# KiCad board mykeyboard.kicad_pcb
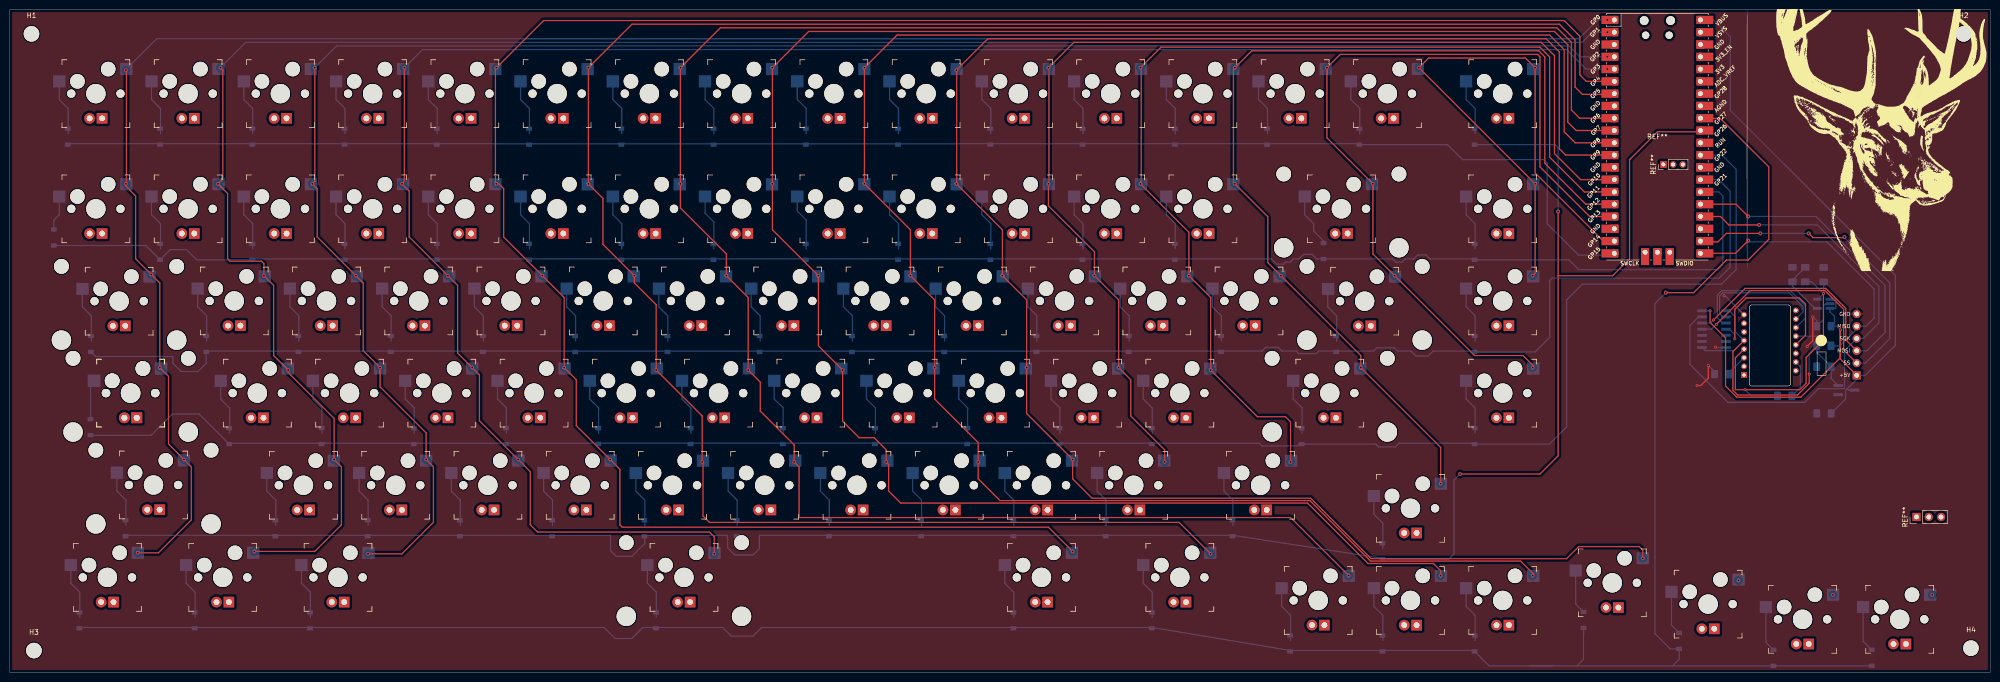
[diagram p0: board, top side]
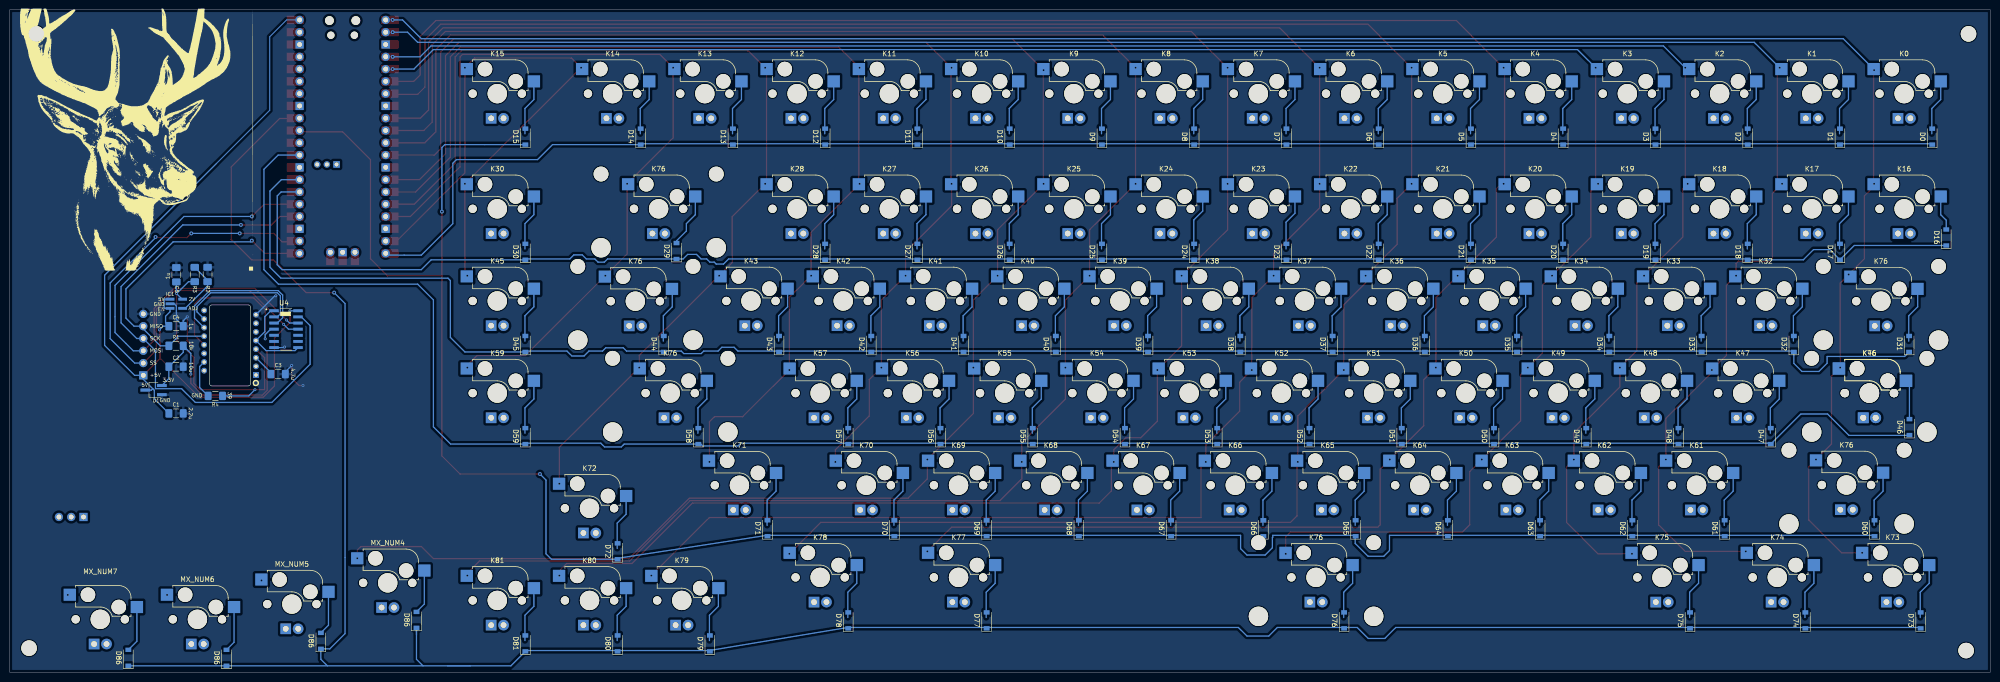
[diagram p1: board, bottom side, seen from below]

Outline 409 x 137 mm; copper layers: Top, Bottom. Coordinates in mm from the lower left corner of the outline.
Outline path: rectangle 0,137 409,0 ; 359.25,75.46 arc(359.39,75.81) 359.75,75.96 367.25,75.96 arc(367.6,75.81) 367.75,75.46 367.75,59.71 arc(367.6,59.36) 367.25,59.21 359.75,59.21 arc(359.39,59.36) 359.25,59.71 359.25,75.46
Stack: Top 0.035mm / dielectric 1.51mm FR4 er 4.5 / Bottom 0.035mm

## Placement (name value [footprint] x y rotation side)
C1  2.2uF  [C_1206_3216Metric_Pad1.42x1.75mm_HandSolder]  374.64 53.53 180 bottom
C2  10uF  [C_1206_3216Metric_Pad1.42x1.75mm_HandSolder]  374.64 63.19 180 bottom
C3  4.7uF  [C_1206_3216Metric_Pad1.42x1.75mm_HandSolder]  353.56 61.66 180 bottom
C4  1uF  [C_1206_3216Metric_Pad1.42x1.75mm_HandSolder]  374.64 71.57 180 bottom
C5  1uF  [C_1206_3216Metric_Pad1.42x1.75mm_HandSolder]  374.58 82.2 90 bottom
D0  D  [D_SOD-123]  12 110.75 90 bottom
D1  D  [D_SOD-123]  31.05 110.75 90 bottom
D2  D  [D_SOD-123]  50.1 110.75 90 bottom
D3  D  [D_SOD-123]  69.15 110.75 90 bottom
D4  D  [D_SOD-123]  88.2 110.75 90 bottom
D5  D  [D_SOD-123]  107.25 110.75 90 bottom
D6  D  [D_SOD-123]  126.3 110.75 90 bottom
D7  D  [D_SOD-123]  145.35 110.75 90 bottom
D8  D  [D_SOD-123]  164.4 110.75 90 bottom
D9  D  [D_SOD-123]  183.45 110.75 90 bottom
D10  D  [D_SOD-123]  202.5 110.75 90 bottom
D11  D  [D_SOD-123]  221.55 110.75 90 bottom
D12  D  [D_SOD-123]  240.6 110.75 90 bottom
D13  D  [D_SOD-123]  259.65 110.75 90 bottom
D14  D  [D_SOD-123]  278.7 110.75 90 bottom
D15  D  [D_SOD-123]  302.51 110.75 90 bottom
D16  D  [D_SOD-123]  9.1 89.9 90 bottom
D17  D  [D_SOD-123]  31.05 86.94 90 bottom
D18  D  [D_SOD-123]  50.1 86.94 90 bottom
D19  D  [D_SOD-123]  69.15 86.94 90 bottom
D20  D  [D_SOD-123]  88.2 86.94 90 bottom
D21  D  [D_SOD-123]  107.25 86.94 90 bottom
D22  D  [D_SOD-123]  126.3 86.94 90 bottom
D23  D  [D_SOD-123]  145.35 86.94 90 bottom
D24  D  [D_SOD-123]  164.4 86.94 90 bottom
D25  D  [D_SOD-123]  183.45 86.94 90 bottom
D26  D  [D_SOD-123]  202.5 86.94 90 bottom
D27  D  [D_SOD-123]  221.55 86.94 90 bottom
D28  D  [D_SOD-123]  240.6 86.94 90 bottom
D29  D  [D_SOD-123]  271.3 87.1 90 bottom
D30  D  [D_SOD-123]  302.51 86.94 90 bottom
D31  D  [D_SOD-123]  16.76 67.89 90 bottom
D32  D  [D_SOD-123]  40.58 67.89 90 bottom
D33  D  [D_SOD-123]  59.62 67.89 90 bottom
D34  D  [D_SOD-123]  78.68 67.89 90 bottom
D35  D  [D_SOD-123]  97.72 67.89 90 bottom
D36  D  [D_SOD-123]  116.78 67.89 90 bottom
D37  D  [D_SOD-123]  135.82 67.89 90 bottom
D38  D  [D_SOD-123]  154.88 67.89 90 bottom
D39  D  [D_SOD-123]  173.93 67.89 90 bottom
D40  D  [D_SOD-123]  192.97 67.89 90 bottom
D41  D  [D_SOD-123]  212.02 67.89 90 bottom
D42  D  [D_SOD-123]  231.07 67.89 90 bottom
D43  D  [D_SOD-123]  250.12 67.89 90 bottom
D44  D  [D_SOD-123]  273.94 67.89 90 bottom
D45  D  [D_SOD-123]  302.51 67.89 90 bottom
D46  D  [D_SOD-123]  16.7 50.7 90 bottom
D47  D  [D_SOD-123]  45.34 48.84 90 bottom
D48  D  [D_SOD-123]  64.39 48.84 90 bottom
D49  D  [D_SOD-123]  83.44 48.84 90 bottom
D50  D  [D_SOD-123]  102.49 48.84 90 bottom
D51  D  [D_SOD-123]  121.54 48.84 90 bottom
D52  D  [D_SOD-123]  140.59 48.84 90 bottom
D53  D  [D_SOD-123]  159.64 48.84 90 bottom
D54  D  [D_SOD-123]  178.69 48.84 90 bottom
D55  D  [D_SOD-123]  197.74 48.84 90 bottom
D56  D  [D_SOD-123]  216.79 48.84 90 bottom
D57  D  [D_SOD-123]  235.84 48.84 90 bottom
D58  D  [D_SOD-123]  266.79 48.84 90 bottom
D59  D  [D_SOD-123]  302.51 48.84 90 bottom
D60  D  [D_SOD-123]  23.91 29.79 90 bottom
D61  D  [D_SOD-123]  54.86 29.79 90 bottom
D62  D  [D_SOD-123]  73.91 29.79 90 bottom
D63  D  [D_SOD-123]  92.96 29.79 90 bottom
D64  D  [D_SOD-123]  112.01 29.79 90 bottom
D65  D  [D_SOD-123]  131.06 29.79 90 bottom
D66  D  [D_SOD-123]  150.11 29.79 90 bottom
D67  D  [D_SOD-123]  169.16 29.79 90 bottom
D68  D  [D_SOD-123]  188.21 29.79 90 bottom
D69  D  [D_SOD-123]  207.26 29.79 90 bottom
D70  D  [D_SOD-123]  226.31 29.79 90 bottom
D71  D  [D_SOD-123]  252.51 29.79 90 bottom
D72  D  [D_SOD-123]  283.46 25.03 90 bottom
D73  D  [D_SOD-123]  14.38 10.74 90 bottom
D74  D  [D_SOD-123]  38.19 10.74 90 bottom
D75  D  [D_SOD-123]  62.01 10.74 90 bottom
D76  D  [D_SOD-123]  133.44 10.74 90 bottom
D77  D  [D_SOD-123]  207.26 10.74 90 bottom
D78  D  [D_SOD-123]  235.84 10.74 90 bottom
D79  D  [D_SOD-123]  264.41 5.97 90 bottom
D80  D  [D_SOD-123]  283.46 5.97 90 bottom
D81  D  [D_SOD-123]  302.51 5.97 90 bottom
D86  SOD-323  [D_SOD-123]  364.24 3 90 bottom
D86#2  SOD-323  [D_SOD-123]  384.5 3 90 bottom
D86#3  SOD-323  [D_SOD-123]  344.74 6.51 90 bottom
D86#4  SOD-323  [D_SOD-123]  325 10.84 90 bottom
H1  MountingHole  [MountingHole_3.2mm_M3_DIN965]  4.5 132 0 top
H2  MountingHole  [MountingHole_3.2mm_M3_DIN965]  403.5 132 0 top
H3  MountingHole  [MountingHole_3.2mm_M3_DIN965]  5 4.5 0 top
H4  MountingHole  [MountingHole_3.2mm_M3_DIN965]  405 5 0 top
IC1  AP7335-WG-7  [AP7331]  374.58 76.2 180 bottom
J1  Conn_01x06_Female  [PinHeader_1x06_P2.54mm_Vertical]  381.41 74.1 0 top
K0  Esc  [Kailh_socket_MX_led]  17.8 119.64 0 top
K1  F1  [Kailh_socket_MX_led]  36.85 119.64 0 top
K2  F2  [Kailh_socket_MX_led]  55.9 119.64 0 top
K3  F3  [Kailh_socket_MX_led]  74.95 119.64 0 top
K4  F4  [Kailh_socket_MX_led]  94 119.64 0 top
K5  F5  [Kailh_socket_MX_led]  113.05 119.64 0 top
K6  F6  [Kailh_socket_MX_led]  132.1 119.64 0 top
K7  F7  [Kailh_socket_MX_led]  151.15 119.64 0 top
K8  F8  [Kailh_socket_MX_led]  170.2 119.64 0 top
K9  F9  [Kailh_socket_MX_led]  189.25 119.64 0 top
K10  F10  [Kailh_socket_MX_led]  208.3 119.64 0 top
K11  F11  [Kailh_socket_MX_led]  227.35 119.64 0 top
K12  F12  [Kailh_socket_MX_led]  246.4 119.64 0 top
K13  Home  [Kailh_socket_MX_led]  265.45 119.64 0 top
K14  End  [Kailh_socket_MX_led]  284.5 119.64 0 top
K15  Insert  [Kailh_socket_MX_led]  308.31 119.64 0 top
K16  ~,`  [Kailh_socket_MX_led]  17.8 95.83 0 top
K17  !,1  [Kailh_socket_MX_led]  36.85 95.83 0 top
K18  @,2  [Kailh_socket_MX_led]  55.9 95.83 0 top
K19  #,3  [Kailh_socket_MX_led]  74.95 95.83 0 top
K20  $,4  [Kailh_socket_MX_led]  94 95.83 0 top
K21  %,5  [Kailh_socket_MX_led]  113.05 95.83 0 top
K22  ^,6  [Kailh_socket_MX_led]  132.1 95.83 0 top
K23  &,7  [Kailh_socket_MX_led]  151.15 95.83 0 top
K24  *,8  [Kailh_socket_MX_led]  170.2 95.83 0 top
K25  (,9  [Kailh_socket_MX_led]  189.25 95.83 0 top
K26  ),0  [Kailh_socket_MX_led]  208.3 95.83 0 top
K27  _,-  [Kailh_socket_MX_led]  227.35 95.83 0 top
K28  +,=  [Kailh_socket_MX_led]  246.4 95.83 0 top
K30  Delete  [Kailh_socket_MX_led]  308.31 95.83 0 top
K32  Q  [Kailh_socket_MX_led]  46.38 76.78 0 top
K33  W  [Kailh_socket_MX_led]  65.42 76.78 0 top
K34  E  [Kailh_socket_MX_led]  84.47 76.78 0 top
K35  R  [Kailh_socket_MX_led]  103.53 76.78 0 top
K36  T  [Kailh_socket_MX_led]  122.57 76.78 0 top
K37  Y  [Kailh_socket_MX_led]  141.62 76.78 0 top
K38  U  [Kailh_socket_MX_led]  160.68 76.78 0 top
K39  I  [Kailh_socket_MX_led]  179.72 76.78 0 top
K40  O  [Kailh_socket_MX_led]  198.78 76.78 0 top
K41  P  [Kailh_socket_MX_led]  217.82 76.78 0 top
K42  {,[  [Kailh_socket_MX_led]  236.88 76.78 0 top
K43  },]  [Kailh_socket_MX_led]  255.93 76.78 0 top
K45  PgUp  [Kailh_socket_MX_led]  308.31 76.78 0 top
K46  Caps Lock  [Kailh_socket_MX_led]  24.94 57.73 0 top
K47  A  [Kailh_socket_MX_led]  51.14 57.73 0 top
K48  S  [Kailh_socket_MX_led]  70.19 57.73 0 top
K49  D  [Kailh_socket_MX_led]  89.24 57.73 0 top
K50  F  [Kailh_socket_MX_led]  108.29 57.73 0 top
K51  G  [Kailh_socket_MX_led]  127.34 57.73 0 top
K52  H  [Kailh_socket_MX_led]  146.39 57.73 0 top
K53  J  [Kailh_socket_MX_led]  165.44 57.73 0 top
K54  K  [Kailh_socket_MX_led]  184.49 57.73 0 top
K55  L  [Kailh_socket_MX_led]  203.54 57.73 0 top
K56  :,;  [Kailh_socket_MX_led]  222.59 57.73 0 top
K57  ",'  [Kailh_socket_MX_led]  241.64 57.73 0 top
K59  PgDn  [Kailh_socket_MX_led]  308.31 57.73 0 top
K61  Z  [Kailh_socket_MX_led]  60.66 38.68 0 top
K62  X  [Kailh_socket_MX_led]  79.71 38.68 0 top
K63  C  [Kailh_socket_MX_led]  98.76 38.68 0 top
K64  V  [Kailh_socket_MX_led]  117.81 38.68 0 top
K65  B  [Kailh_socket_MX_led]  136.86 38.68 0 top
K66  N  [Kailh_socket_MX_led]  155.91 38.68 0 top
K67  M  [Kailh_socket_MX_led]  174.96 38.68 0 top
K68  <,,  [Kailh_socket_MX_led]  194.01 38.68 0 top
K69  >,.  [Kailh_socket_MX_led]  213.06 38.68 0 top
K70  ?,/  [Kailh_socket_MX_led]  232.11 38.68 0 top
K71  Shift  [Kailh_socket_MX_led]  258.31 38.68 0 top
K72  ↑  [Kailh_socket_MX_led]  289.26 33.91 0 top
K73  Ctrl  [Kailh_socket_MX_led]  20.18 19.63 0 top
K74  Win  [Kailh_socket_MX_led]  43.99 19.63 0 top
K75  Alt  [Kailh_socket_MX_led]  67.81 19.63 0 top
K76  Space  [Kailh_socket_MX_led stab]  29.7 38.73 0 top
K76#2  Space  [Kailh_socket_MX_led stab]  22.6 76.73 0 top
K76#3  Space  [Kailh_socket_MX_led stab]  279.8 76.73 0 top
K76#4  Space  [Kailh_socket_MX_led stab]  139.24 19.63 0 top
K76#5  Space  [Kailh_socket_MX_led stab]  275 95.83 0 top
K76#6  Space  [Kailh_socket_MX_led stab]  25 57.73 0 top
K76#7  Space  [Kailh_socket_MX_led stab]  272.6 57.73 0 top
K77  Alt  [Kailh_socket_MX_led]  213.06 19.63 0 top
K78  Ctrl  [Kailh_socket_MX_led]  241.64 19.63 0 top
K79  ←  [Kailh_socket_MX_led]  270.21 14.87 0 top
K80  ↓  [Kailh_socket_MX_led]  289.26 14.87 0 top
K81  →  [Kailh_socket_MX_led]  308.31 14.87 0 top
MX_NUM4  -  [Kailh_socket_MX_led]  330.93 18.5 0 top
MX_NUM5  -  [Kailh_socket_MX_led]  350.73 14.11 0 top
MX_NUM6  -  [Kailh_socket_MX_led]  370.23 10.96 0 top
MX_NUM7  -  [Kailh_socket_MX_led]  390.29 10.96 0 top
R1  10k  [R_1206_3216Metric_Pad1.42x1.75mm_HandSolder]  374.64 67.5 0 bottom
R2  10k  [R_1206_3216Metric_Pad1.42x1.75mm_HandSolder]  368.13 82.25 90 bottom
R3  15k  [R_1206_3216Metric_Pad1.42x1.75mm_HandSolder]  370.78 82.25 270 bottom
R4  39  [R_1206_3216Metric_Pad1.42x1.75mm_HandSolder]  366.53 57.15 0 bottom
REF**  -  [RPi_Pico_SMD_TH]  340.25 110.75 0 top
REF**#2  -  [PinHeader_1x03_P2.54mm_Vertical]  393.76 32.12 90 top
REF**#3  -  [PinHeader_1x03_P2.00mm_Vertical]  341.5 105 90 top
U1  XC6206P332MR  [TSOT-23_HandSoldering]  379.28 58.35 0 bottom
U2  PMW3360DM-T2QU  [DIP-16_W10.16mm]  359.25 59.96 0 bottom
U4  TXS0104EDR  [SOIC127P600X175-14N]  351.93 70.95 180 bottom

## Library data of the parts
C1 = -: LCSC: C1858
C2 = -: LCSC: C152957
C3 = -: LCSC: C29823
C4 C5 = -: LCSC: C1926
IC1 = -: Description: LDO Voltage Regulators LDO SOT-25 ADJUSTABLE 300MA; Arrow Part Number: AP7331-WG-7; Arrow Price/Stock: https://www.arrow.com/en/products/ap7331-wg-7/diodes-incorporated?region=nac; Height: 1.45; LCSC: C460382; Manufacturer_Name: Diodes Inc.; Manufacturer_Part_Number: AP7331-WG-7; Mouser Part Number: 621-AP7331-WG-7; Mouser Price/Stock: https://www.mouser.co.uk/ProductDetail/Diodes-Incorporated/AP7331-WG-7?qs=vIZ3oKQCLxr9PiNSCoXN%2FQ%3D%3D
R1 R2 = -: LCSC: C328409
R3 = -: LCSC: C351534
R4 = -: LCSC: C153384
U1 = -: LCSC: C347376
U4 = -: LCSC: C79342

## Footprints (pads in the part's own frame, mm; a bottom-side part is the same pattern mirrored in y, then rotated)
AP7331
  rect 1.8x0.6 smd: 1(-1.3,0.95) 2(-1.3,0) 3(-1.3,-0.95) 4(1.3,-0.95) 5(1.3,0.95)
C_1206_3216Metric_Pad1.42x1.75mm_HandSolder
  rrect 1.425x1.75 smd: 1(-1.488,0) 2(1.488,0)
D_SOD-123
  rect 0.9x1.2 smd: 1(-1.65,0) 2(1.65,0)
DIP-16_W10.16mm
  rect 1.2x1.2 hole 0.7: 1(-1.1,-1.52)
  round 1.2 hole 0.7: 2(-1.1,-3.3) 3(-1.1,-5.08) 4(-1.1,-6.86) 5(-1.1,-8.64) 6(-1.1,-10.42) 7(-1.1,-12.2) 8(-1.1,-13.98) 9(9.6,-14.87) 10(9.6,-13.09) 11(9.6,-11.31) 12(9.6,-9.53) 13(9.6,-7.75) 14(9.6,-5.97) 15(9.6,-4.19) 16(9.6,-2.41)
Kailh_socket_MX_led
  round 1.702 hole 1.702 unplated: (-5.08,0) (5.08,0)
  round 3 hole 3 unplated: (-3.81,2.54) (2.54,5.08)
  round 3.988 hole 3.988 unplated: (0,0)
  rect 2.55x2.5 smd far side: 1(6.29,5.08) 2(-7.56,2.54)
  round 2.2 hole 1.2: 3(-1.295,-5.105)
  rect 2.2x2.2 hole 1.2: 4(1.27,-5.105)
Kailh_socket_MX_led stab
  round 3.05 hole 3.05 unplated: (-11.913,7.188) (11.887,7.188)
  round 4 hole 4 unplated: (-11.913,-8.052) (11.887,-8.052)
  round 1.702 hole 1.702 unplated: (-5.08,0) (5.08,0)
  round 3 hole 3 unplated: (-3.81,2.54) (2.54,5.08)
  round 3.988 hole 3.988 unplated: (0,0)
  rect 2.55x2.5 smd far side: 1(6.29,5.08) 2(-7.56,2.54)
  round 2.2 hole 1.2: 3(-1.295,-5.105)
  rect 2.2x2.2 hole 1.2: 4(1.27,-5.105)
MountingHole_3.2mm_M3_DIN965
  round 3.2 hole 3.2 unplated: (0,0)
PinHeader_1x03_P2.00mm_Vertical
  rect 1.35x1.35 hole 0.8: 1(0,0)
  oval 1.35x1.35 hole 0.8: 2(0,-2) 3(0,-4)
PinHeader_1x03_P2.54mm_Vertical
  rect 1.7x1.7 hole 1: 1(0,0)
  oval 1.7x1.7 hole 1: 2(0,-2.54) 3(0,-5.08)
PinHeader_1x06_P2.54mm_Vertical
  oval 1.7x1.7 hole 1: 1(0,0) 2(0,-2.54) 3(0,-5.08) 4(0,-7.62) 5(0,-10.16)
  rect 1.7x1.7 hole 1: 6(0,-12.7)
R_1206_3216Metric_Pad1.42x1.75mm_HandSolder
  rrect 1.425x1.75 smd: 1(-1.488,0) 2(1.488,0)
RPi_Pico_SMD_TH
  oval 1.8x1.8 hole 1.8 unplated: (-2.725,24) (2.725,24)
  oval 1.5x1.5 hole 1.5 unplated: (-2.425,20.97) (2.425,20.97)
  oval 1.7x1.7 hole 1.02: 1(-8.89,24.13) 2(-8.89,21.59) 4(-8.89,16.51) 5(-8.89,13.97) 6(-8.89,11.43) 7(-8.89,8.89) 9(-8.89,3.81) 10(-8.89,1.27) 11(-8.89,-1.27) 12(-8.89,-3.81) 14(-8.89,-8.89) 15(-8.89,-11.43) 16(-8.89,-13.97) 17(-8.89,-16.51) 19(-8.89,-21.59) 20(-8.89,-24.13) 21(8.89,-24.13) 22(8.89,-21.59) 24(8.89,-16.51) 25(8.89,-13.97) 26(8.89,-11.43) 27(8.89,-8.89) 29(8.89,-3.81) 30(8.89,-1.27) 31(8.89,1.27) 32(8.89,3.81) 34(8.89,8.89) 35(8.89,11.43) 36(8.89,13.97) 37(8.89,16.51) 39(8.89,21.59) 40(8.89,24.13) 41(-2.54,-23.9) 43(2.54,-23.9)
  rect 3.5x1.7 smd: 1(-8.89,24.13) 2(-8.89,21.59) 3(-8.89,19.05) 4(-8.89,16.51) 5(-8.89,13.97) 6(-8.89,11.43) 7(-8.89,8.89) 8(-8.89,6.35) 9(-8.89,3.81) 10(-8.89,1.27) 11(-8.89,-1.27) 12(-8.89,-3.81) 13(-8.89,-6.35) 14(-8.89,-8.89) 15(-8.89,-11.43) 16(-8.89,-13.97) 17(-8.89,-16.51) 18(-8.89,-19.05) 19(-8.89,-21.59) 20(-8.89,-24.13) 21(8.89,-24.13) 22(8.89,-21.59) 23(8.89,-19.05) 24(8.89,-16.51) 25(8.89,-13.97) 26(8.89,-11.43) 27(8.89,-8.89) 28(8.89,-6.35) 29(8.89,-3.81) 30(8.89,-1.27) 31(8.89,1.27) 32(8.89,3.81) 33(8.89,6.35) 34(8.89,8.89) 35(8.89,11.43) 36(8.89,13.97) 37(8.89,16.51) 38(8.89,19.05) 39(8.89,21.59) 40(8.89,24.13)
  rect 1.7x1.7 hole 1.02: 3(-8.89,19.05) 8(-8.89,6.35) 13(-8.89,-6.35) 18(-8.89,-19.05) 23(8.89,-19.05) 28(8.89,-6.35) 33(8.89,6.35) 38(8.89,19.05) 42(0,-23.9)
  rect 1.7x3.5 smd: 41(-2.54,-23.9) 42(0,-23.9) 43(2.54,-23.9)
SOIC127P600X175-14N
  rect 1.97x0.6 smd: 1(-2.475,3.81) 2(-2.475,2.54) 3(-2.475,1.27) 4(-2.475,0) 5(-2.475,-1.27) 6(-2.475,-2.54) 7(-2.475,-3.81) 8(2.475,-3.81) 9(2.475,-2.54) 10(2.475,-1.27) 11(2.475,0) 12(2.475,1.27) 13(2.475,2.54) 14(2.475,3.81)
TSOT-23_HandSoldering
  rect 2x0.65 smd: 1(-1.71,0.95) 2(-1.71,-0.95) 3(1.71,0)

## Nets
GND: C1.2 C2.2 C3.2 C4.2 C5.2 IC1.2 J1.1 R2.2 U1.1 U2.8 U4.7
/Col_0: K0.1 K16.1 K46.1 K73.1 K76.1 K76#2.1 REF**.1
/Col_1: K1.1 K17.1 K32.1 K47.1 K61.1 K74.1 REF**.2
/Col_2: K2.1 K18.1 K33.1 K48.1 K62.1 K75.1 REF**.4
/Col_3: K3.1 K19.1 K34.1 K49.1 K63.1 K76#4.1 REF**.5
/Col_4: K4.1 K20.1 K35.1 K50.1 K64.1 K77.1 REF**.6
/Col_5: K5.1 K21.1 K36.1 K51.1 K65.1 K78.1 REF**.7
/Col_6: K6.1 K22.1 K37.1 K52.1 K66.1 K79.1 REF**.9
/Col_7: K7.1 K23.1 K38.1 K53.1 K67.1 K80.1 REF**.10
/Col_8: K8.1 K24.1 K39.1 K54.1 K68.1 K81.1 REF**.11
/Col_9: K9.1 K25.1 K40.1 K55.1 K69.1 MX_NUM4.1 REF**.12
/Col_10: K10.1 K26.1 K41.1 K56.1 K70.1 MX_NUM5.1 REF**.14
/Col_11: K11.1 K27.1 K42.1 K57.1 K71.1 MX_NUM6.1 REF**.15
/Col_12: K12.1 K28.1 K43.1 K72.1 K76#7.1 MX_NUM7.1 REF**.16
/Col_13: K13.1 K59.1 REF**.17
/Col_14: K14.1 K15.1 K30.1 K45.1 REF**.19
/Row_0: D0.1 D1.1 D2.1 D3.1 D4.1 D5.1 D6.1 D7.1 D8.1 D9.1 D10.1 D11.1 D12.1 D13.1 D14.1 REF**.20
/Row_1: D16.1 D17.1 D18.1 D19.1 D20.1 D21.1 D22.1 D23.1 D24.1 D25.1 D26.1 D27.1 D28.1 D29.1 D30.1 REF**.26
/Row_2: D31.1 D32.1 D33.1 D34.1 D35.1 D36.1 D37.1 D38.1 D39.1 D40.1 D41.1 D42.1 D43.1 D44.1 D45.1 REF**.27
/Row_3: D46.1 D47.1 D48.1 D49.1 D50.1 D51.1 D52.1 D53.1 D54.1 D55.1 D56.1 D57.1 D58.1 D59.1 REF**.29
/Row_4: D15.1 D60.1 D61.1 D62.1 D63.1 D64.1 D65.1 D66.1 D67.1 D68.1 D69.1 D70.1 D71.1 D72.1 REF**.31
/Row_5: D73.1 D74.1 D75.1 D76.1 D77.1 D78.1 D79.1 D80.1 D81.1 D86.1 D86#2.1 D86#3.1 D86#4.1 REF**.32
Net-(D0-Pad2): D0.2 K0.2
Net-(D1-Pad2): D1.2 K1.2
Net-(D2-Pad2): D2.2 K2.2
Net-(D3-Pad2): D3.2 K3.2
Net-(D4-Pad2): D4.2 K4.2
Net-(D5-Pad2): D5.2 K5.2
Net-(D6-Pad2): D6.2 K6.2
Net-(D7-Pad2): D7.2 K7.2
Net-(D8-Pad2): D8.2 K8.2
Net-(D9-Pad2): D9.2 K9.2
Net-(D10-Pad2): D10.2 K10.2
Net-(D11-Pad2): D11.2 K11.2
Net-(D12-Pad2): D12.2 K12.2
Net-(D13-Pad2): D13.2 K13.2
Net-(D14-Pad2): D14.2 K14.2
Net-(D15-Pad2): D15.2 K15.2
Net-(D16-Pad2): D16.2 K16.2
Net-(D17-Pad2): D17.2 K17.2
Net-(D18-Pad2): D18.2 K18.2
Net-(D19-Pad2): D19.2 K19.2
Net-(D20-Pad2): D20.2 K20.2
Net-(D21-Pad2): D21.2 K21.2
Net-(D22-Pad2): D22.2 K22.2
Net-(D23-Pad2): D23.2 K23.2
Net-(D24-Pad2): D24.2 K24.2
Net-(D25-Pad2): D25.2 K25.2
Net-(D26-Pad2): D26.2 K26.2
Net-(D27-Pad2): D27.2 K27.2
Net-(D28-Pad2): D28.2 K28.2
Net-(D29-Pad2): D29.2
Net-(D30-Pad2): D30.2 K30.2
Net-(D31-Pad2): D31.2
Net-(D32-Pad2): D32.2 K32.2
Net-(D33-Pad2): D33.2 K33.2
Net-(D34-Pad2): D34.2 K34.2
Net-(D35-Pad2): D35.2 K35.2
Net-(D36-Pad2): D36.2 K36.2
Net-(D37-Pad2): D37.2 K37.2
Net-(D38-Pad2): D38.2 K38.2
Net-(D39-Pad2): D39.2 K39.2
Net-(D40-Pad2): D40.2 K40.2
Net-(D41-Pad2): D41.2 K41.2
Net-(D42-Pad2): D42.2 K42.2
Net-(D43-Pad2): D43.2 K43.2
Net-(D44-Pad2): D44.2
Net-(D45-Pad2): D45.2 K45.2
Net-(D46-Pad2): D46.2 K46.2
Net-(D47-Pad2): D47.2 K47.2
Net-(D48-Pad2): D48.2 K48.2
Net-(D49-Pad2): D49.2 K49.2
Net-(D50-Pad2): D50.2 K50.2
Net-(D51-Pad2): D51.2 K51.2
Net-(D52-Pad2): D52.2 K52.2
Net-(D53-Pad2): D53.2 K53.2
Net-(D54-Pad2): D54.2 K54.2
Net-(D55-Pad2): D55.2 K55.2
Net-(D56-Pad2): D56.2 K56.2
Net-(D57-Pad2): D57.2 K57.2
Net-(D58-Pad2): D58.2
Net-(D59-Pad2): D59.2 K59.2
Net-(D60-Pad2): D60.2
Net-(D61-Pad2): D61.2 K61.2
Net-(D62-Pad2): D62.2 K62.2
Net-(D63-Pad2): D63.2 K63.2
Net-(D64-Pad2): D64.2 K64.2
Net-(D65-Pad2): D65.2 K65.2
Net-(D66-Pad2): D66.2 K66.2
Net-(D67-Pad2): D67.2 K67.2
Net-(D68-Pad2): D68.2 K68.2
Net-(D69-Pad2): D69.2 K69.2
Net-(D70-Pad2): D70.2 K70.2
Net-(D71-Pad2): D71.2 K71.2
Net-(D72-Pad2): D72.2 K72.2
Net-(D73-Pad2): D73.2 K73.2
Net-(D74-Pad2): D74.2 K74.2
Net-(D75-Pad2): D75.2 K75.2
Net-(D76-Pad2): D76.2 K76#4.2
Net-(D77-Pad2): D77.2 K77.2
Net-(D78-Pad2): D78.2 K78.2
Net-(D79-Pad2): D79.2 K79.2
Net-(D80-Pad2): D80.2 K80.2
Net-(D81-Pad2): D81.2 K81.2
Net-(R4-Pad2): R4.2 U2.15

Pads without a net: C1 1; C2 1; C3 1; C4 1; C5 1; D86 2; D86#2 2; D86#3 2; D86#4 2; IC1 1 3 4 5; J1 2 3 4 5 6; K0 3 4; K1 3 4; K2 3 4; K3 3 4; K4 3 4; K5 3 4; K6 3 4; K7 3 4; K8 3 4; K9 3 4; K10 3 4; K11 3 4; K12 3 4; K13 3 4; K14 3 4; K15 3 4; K16 3 4; K17 3 4; K18 3 4; K19 3 4; K20 3 4; K21 3 4; K22 3 4; K23 3 4; K24 3 4; K25 3 4; K26 3 4; K27 3 4; K28 3 4; K30 3 4; K32 3 4; K33 3 4; K34 3 4; K35 3 4; K36 3 4; K37 3 4; K38 3 4; K39 3 4; K40 3 4; K41 3 4; K42 3 4; K43 3 4; K45 3 4; K46 3 4; K47 3 4; K48 3 4; K49 3 4; K50 3 4; K51 3 4; K52 3 4; K53 3 4; K54 3 4; K55 3 4; K56 3 4; K57 3 4; K59 3 4; K61 3 4; K62 3 4; K63 3 4; K64 3 4; K65 3 4; K66 3 4; K67 3 4; K68 3 4; K69 3 4; K70 3 4; K71 3 4; K72 3 4; K73 3 4; K74 3 4; K75 3 4; K76 2 3 4; K76#2 2 3 4; K76#3 1 2 3 4; K76#4 3 4; K76#5 1 2 3 4; K76#6 1 2 3 4; K76#7 2 3 4; K77 3 4; K78 3 4; K79 3 4; K80 3 4; K81 3 4; MX_NUM4 2 3 4; MX_NUM5 2 3 4; MX_NUM6 2 3 4; MX_NUM7 2 3 4; R1 1 2; R2 1; R3 1 2; R4 1; REF** 3 8 13 18 21 22 23 24 25 28 30 33 34 35 36 37 38 39 40 41 42 43; REF**#2 1 2 3; REF**#3 1 2 3; U1 2 3; U2 1 2 3 4 5 6 7 9 10 11 12 13 14 16; U4 1 2 3 4 5 6 8 9 10 11 12 13 14

## Via types
v1: diameter 0.6, hole 0.3, Top to Bottom, 14 vias
v2: diameter 0.8, hole 0.4, Top to Bottom, 99 vias

## Routing (per net, layer and track width the routed paths; a pad name or vN(x,y) marks a point on that pad's centre or on a via; arc(x,y) is an arc through that point)
GND: length 30.9
  Top w0.25: v1(350.77,63.44) 350.77,60.84 349.23,59.3 v1(348.43,59.3) ; v1(372.33,73.5) 372.33,68.55 v1(371.18,67.4)
  Bottom w0.25: 354.41,67.14 352.34,67.14 v1(352.23,67.25) ; v1(350.77,63.44) 352.07,62.13 C3.2 ; U2.8 354.24,77.85 v1(354.03,77.85) ; IC1.2 375.03,76.2 374.58,75.75 374.58,73 C4.2 373.16,72.68 v1(372.33,73.5)
(no net): length 855.2
  Top w0.25: v2(378.88,90) 378.75,89.88 372.38,89.88 v2(371.5,90.75) ; 378,70.61 378,64.8 J1.6 ; 378,70.61 378.08,70.69 v1(378.08,70.81) ; 378,70.61 378,65.02 369.86,56.87 356.65,56.87 354.32,59.19 354.32,69.16 351.13,72.35 v1(351.13,74.75) ; U2.13 370.83,69.7 370.83,76.14 369.56,77.41 358.6,77.41 356.23,75.05 v1(356.23,68.95) ; REF**.21 356.37,86.62 v2(359,89.25) ; J1.5 378.71,66.64 378.71,75.05 374.83,78.92 359.41,78.92 v1(352.43,71.95) ; U2.4 356.36,65.03 356.36,58.44 v1(358.35,58.44) 369.64,58.44 370.96,59.76 370.96,65.09 374.53,68.66 v1(374.53,78.3) ; v2(361.5,90.75) 354.5,90.75 352.75,89 349.3,89 REF**.22 ; REF**.25 356.47,96.78 v2(359,94.25) ; J1.4 379.16,68.73 379.16,75.24 375.02,79.37 358.36,79.37 v1(351.83,72.85) ; v1(371.6,61.66) 371.6,59.76 369.16,57.32 356.83,57.32 355.85,58.31 355.85,66.3 U2.5 ; 349.24,117 REF**.33 ; v2(361.25,92.5) 355,92.5 353.26,94.24 REF**.24
  Bottom w0.2: 366.3,105.2 355.3,116.2 355.3,131.4 351.82,134.88 REF**.40
  Bottom w0.25: U4.12 351.2,72.22 v1(351.83,72.85) ; IC1.4 372.75,75.25 368.13,79.86 R2.1 368.13,81.09 R3.1 ; v2(359,89.25) 359.25,89 375.25,89 385,79.25 385,73.25 383.31,71.56 J1.2 381.41,71.01 377.9,67.5 R1.2 374.15,69.49 U2.12 ; J1.5 383.19,63.94 388.25,69 388.25,80.5 378.88,89.88 v2(378.88,90) ; MX_NUM7.2 382.73,6.42 D86#2.2 ; IC1.5 373.38,77.15 v1(374.53,78.3) ; v1(351.13,74.75) 349.47,74.75 U4.14 ; v1(371.6,61.66) 371.6,65.94 R1.1 373.16,66.16 C2.1 376.13,60.74 377.57,59.3 U1.2 ; 379.45,58.63 379.13,58.3 379.13,56.53 C1.1 ; 379.45,58.63 381.41,60.59 J1.6 383.2,61.4 389.4,67.6 389.4,82.1 366.3,105.2 ; 379.45,58.63 379.73,58.35 U1.3 ; U2.11 370.83,73.26 370.83,75.76 367.67,78.92 353.55,78.92 352.63,78.01 352.63,73.31 353.72,72.22 354.41,72.22 ; v1(374.53,78.3) 372.07,80.76 R3.2 ; v1(374.53,78.3) 374.58,78.35 C5.1 ; v2(361.25,92.5) 373.25,92.5 386,79.75 386,72.25 382.77,69.02 J1.3 378.9,66.51 378.9,58.71 378.83,58.65 373.51,58.65 370.66,55.8 354.85,55.8 346.96,63.69 346.96,71.67 348.77,73.49 U4.13 ; D86#3.2 343.17,9.73 MX_NUM5.2 ; U2.10 370.33,74.53 370.33,75.63 367.48,78.47 353.73,78.47 353.1,77.84 353.1,74.11 353.72,73.49 354.41,73.49 ; R4.1 359.63,57.15 v1(358.35,58.44) ; 354.41,70.95 355.09,70.95 356.23,69.81 v1(356.23,68.95) ; D86.2 362.67,6.22 MX_NUM6.2 ; 354.41,74.76 355.09,74.76 356.33,73.52 356.33,70.41 U2.5 356.06,66.51 350.08,66.51 U4.8 ; 375.85,71.85 C4.1 ; C4.1 376.81,72.25 376.81,73.62 375.88,74.55 IC1.3 377.03,75.25 377.11,75.32 377.11,77.07 377.03,77.15 IC1.1 ; C4.1 377.32,71.57 v1(378.08,70.81) ; C3.1 355.05,61.94 U2.3 ; v1(352.43,71.95) 351.43,70.95 U4.11 ; J1.4 383.48,66.48 387.25,70.25 387.25,80 373,94.25 v2(359,94.25) ; MX_NUM4.2 323.37,14.12 D86#4.2 ; v2(371.5,90.75) v2(361.5,90.75) ; 349.28,119.5 REF**.34
  vias: v2(357,19) v2(376.5,16) v2(397,16)
/Col_0: length 422.8
  Top w0.25: v2(24,124.5) 24.11,124.39 24.11,101.11 v2(24,101) 24,100.5 26,98.5 26,85.5 v2(29.25,82.25) 31,80.5 v2(31,63) 32.8,61.2 32.8,47.2 v2(36,44) 37.5,42.5 37.5,31.5 30.71,24.71 v2(26.47,24.71)
  Bottom w0.25: v2(329.91,134.88) 327.88,134.88 324,131 30.37,131 K0.1 24.09,124.59 v2(24,124.5)
/Col_1: length 419.2
  Top w0.25: v2(43.5,125) 44,124.5 44,102 v2(43,101) 45,99 45,85.5 45.5,85 52,85 52.5,84.5 v2(52.5,82) 54.5,80 54.5,65.5 v2(57.5,62.5) 57.5,62 67,52.5 v2(67,44) 68.5,42.5 68.5,30.5 63,25 v2(50.5,25)
  Bottom w0.25: v2(329.91,132.34) 326.84,132.34 324.75,130.25 48.75,130.25 v2(43.5,125)
/Col_2: length 390.5
  Top w0.25: v2(74,24.5) 81,24.5 87.5,31 87.5,42.5 v2(86,44) 86,49.5 76.5,59 v2(76.5,63) 73,66.5 73,80.5 v2(71.5,82) 63.5,90 63.5,100 v2(62.5,101) 63,101.5 v2(63,125)
  Bottom w0.25: v2(63,125) 67.5,129.5 322,129.5 324.24,127.26 v2(329.91,127.26)
/Col_3: length 399.9
  Top w0.25: v2(145.5,24.5) 145.5,28 144.5,29 109,29 107.5,30.5 107.5,41.5 v2(105,44) 97,52 97,61.5 v2(95.5,63) 92.5,66 92.5,80 v2(90.5,82) 82.5,90 82.5,99.5 v2(81,101) 81.5,101.5 v2(81.5,125)
  Bottom w0.25: v2(81.5,125) 85.25,128.75 321.5,128.75 325.53,124.72 v2(329.91,124.72)
/Col_4: length 444.9
  Top w0.25: v2(219.5,25) 214.5,30 126.5,30 126,30.5 126,42 v2(124,44) 117,51 117,60.5 v2(114.5,63) 114.5,77.5 v2(110,82) 102,90 102,100 101,101 v2(100.5,101) 100.31,101.19 100.31,124.81 v2(100.5,125) 110.25,134.75 321,134.75 324.25,131.5 324.25,123.5 325.57,122.18 330.19,122.18
/Col_5: length 437.3
  Top w0.25: 330.53,118.81 329.84,119.5 324.75,119.5 323.25,121 323.25,130.75 320,134 128.5,134 v2(119.5,125) v2(119.5,101) 122.5,98 122.5,88.5 v2(129,82) 129,80.5 133.5,76 v2(133.5,62.5) 143,53 v2(143,43.5) 143.17,43.33 143.17,32.33 144.5,31 241.5,31 v2(248,24.5)
/Col_6: length 432.7
  Top w0.25: v2(276.5,20) 264.5,32 163,32 163,42.5 v2(162,43.5) 162,47 155,54 155,60 v2(152.5,62.5) 152.5,77.5 v2(148,82) 148,86.5 138.5,96 v2(138.5,101) v2(138.5,125) 146.75,133.25 319.5,133.25 322.5,130.25 322.5,116.25 324.19,114.56 330.19,114.56
/Col_7: length 414.7
  Top w0.25: 330.19,112.02 323.48,112.02 321.75,113.75 321.75,129.75 319,132.5 165,132.5 v2(157.5,125) v2(157.5,101) 157.5,91.5 v2(167,82) 167,67.5 v2(172,62.5) 172,51.91 175.41,48.5 178.5,48.5 181,46 v2(181,43.5) 181.5,43 181.5,37.5 184,35 268,35 280.5,22.5 294,22.5 295.5,21 v2(295.5,20)
/Col_8: length 393.5
  Top w0.25: v2(314.5,20) 314.5,20.5 312,23 281,23 268.5,35.5 204.5,35.5 200,40 v2(200,43.5) 200,47.5 191,56.5 v2(191,63) 191,77 v2(186,82) 186,91.5 v2(176.5,101) 176.51,101.01 176.51,124.99 v2(176.5,125) 183.25,131.75 318,131.75 321,128.75 321,111.75 323.27,109.48 330.19,109.48
/Col_9: length 381.1
  Top w0.25: 330.19,106.94 321.31,106.94 320,108.25 320,128.25 317.25,131 202,131 v2(195.5,124.5) 195.56,124.44 195.56,101.06 v2(195.5,101) 205,91.5 v2(205,82) 210,77 v2(210,63) 210,53.5 v2(219.5,44) 219.5,40 223.5,36 268.64,36 281.14,23.5 321.5,23.5 324,26 336.5,26 337.22,25.28 v2(337.22,23.58)
/Col_10: length 233
  Top w0.25: 330.19,101.86 324.39,101.86 319,107.25 319,127.5 316.25,130.25 219.75,130.25 v2(214.5,125) 214.61,124.89 214.61,101.11 v2(214.5,101) 214.5,96.44 224,86.94 v2(224,82) 229,77 v2(229,63) 231.5,60.5 231.5,53 238.5,46 v2(238.5,43.5)
/Col_11: length 220.9
  Top w0.25: 330.19,99.32 325.18,99.32 318,106.5 318,127.25 316,129.25 237.75,129.25 v2(233.5,125) 233.66,124.84 233.66,101.16 v2(233.5,101) 243.5,91 v2(243.5,82) 248,77.5 v2(248,62.5) 257.65,52.85 263.45,52.85 264.5,51.8 v2(264.5,43.5)
/Col_12: length 208.5
  Top w0.25: 330.19,96.78 325.47,96.78 317,105.25 317,127.25 315.75,128.5 256.5,128.5 v2(253,125) 252.71,124.71 252.71,101.29 v2(253,101) 259.8,94.2 259.8,84.7 v2(262.5,82) 279,65.5 v2(279,63) 295.5,46.5 v2(295.5,39)
/Col_13: length 172
  Top w0.25: v2(314.5,63) 314.5,63.5 312.5,65.5 302.5,65.5 v2(286,82) 281.5,86.5 v2(281.5,101) 272,110.5 v2(272,125) 274.75,127.75 315.5,127.75 316,127.25 316,104.5 326.26,94.24 330.19,94.24
/Col_14: length 120
  Top w0.25: 328.75,89.5 315,103.25 v2(315,125) 313,127 293,127 v2(291,125) v2(315,101) 315,82.5 v2(314.5,82)
/Row_0: length 336.3
  Bottom w0.25: 12.09,109.28 278.79,109.28 ; D14.1 296.9,109.1 300,106 316.75,106 317.5,105.25 317.5,92.75 324,86.25 330.99,86.25 REF**.20
/Row_1: length 371
  Bottom w0.25: 50.19,85.47 260.53,85.47 261.6,84.4 263.1,84.4 263.5,84.8 264.4,84.8 265.07,85.47 266.23,85.47 267.16,86.4 269,86.4 269.93,85.47 285.53,85.47 286.2,84.8 287.5,84.8 288.17,85.47 289.93,85.47 290.76,86.3 292.5,86.3 293.33,85.47 302.6,85.47 ; REF**.26 352.93,99.32 353.75,98.5 353.75,84.25 352.75,83.25 324,83.25 321.96,85.29 D30.1 ; D18.1 38.61,85.29 36.5,87.4 33.16,87.4 D17.1 28.09,88.25 D16.1
/Row_2: length 383.5
  Bottom w0.25: 40.66,66.42 258.62,66.42 259.4,67.2 261.94,67.2 262.72,66.42 265.68,66.42 266.2,65.9 269.8,65.9 270.32,66.42 281.62,66.42 282.3,67.1 285.9,67.1 286.58,66.42 289.38,66.42 290.4,65.4 292.9,65.4 293.92,66.42 302.6,66.42 ; D45.1 314.99,66.24 318,69.25 318,81 318.5,81.5 353,81.5 355.25,83.75 355.25,99.5 352.89,101.86 REF**.27 ; D32.1 40.58,63.88 38.9,62.2 35.4,62.2 33.7,63.9 33.7,65.3 17.7,65.3 D31.1
/Row_3: length 404.8
  Bottom w0.25: REF**.29 353.56,106.94 356.5,104 356.5,83.25 353.5,80.25 324.75,80.25 321.5,77 321.5,50.75 317.94,47.19 D59.1 ; 45.42,47.37 258.03,47.37 258.6,46.8 265.9,46.8 266.29,47.19 D58.1 282.11,47.19 282.7,46.6 286.16,46.6 286.93,47.37 302.6,47.37 ; D46.1 16.77,48.98 29.18,48.98 33.6,53.4 39.12,53.4 D47.1
/Row_4: length 461.9
  Top w0.25: v2(319.75,95.25) 319.75,82 ; 319.75,82 331,82 334.5,85.5 334.5,106 340.25,111.75 348.87,111.75 REF**.31 ; 319.75,82 319.75,44.75 316,41 v2(299.5,41)
  Bottom w0.25: D15.1 319.15,109.1 319.75,108.5 v2(319.75,95.25) ; D72.1 297.12,23.38 298.25,24.5 298.25,39.75 v2(299.5,41) ; 23.99,28.32 124.07,28.32 124.07,25.18 125.25,24 128.5,24 131.15,26.65 131.15,28.32 148.18,28.32 148.18,27.93 148.25,27.86 148.25,25.75 149.75,24.25 153.5,24.25 154.82,25.57 154.82,28.32 252.59,28.32 283.55,23.56
/Row_5: length 529.1
  Top w0.25: 350.56,114.56 350.56,114.5 353.25,114.5 363.25,104.5 363.25,89.5 359,85.25 354.5,85.25 347.75,78.5 v2(342,78.5)
  Bottom w0.25: 325,7.75 D86#4.1 325,2.7 323.65,1.35 ; 14.47,9.27 122.77,9.27 125.04,7 128.46,7 130.73,9.27 147.23,9.27 149,7.5 153.5,7.5 155.27,9.27 235.93,9.27 264.5,4.51 302.6,4.51 ; 318.6,1.35 313.9,1.35 ; 313.9,1.35 305.49,1.35 D81.1 ; 313.9,1.35 323.65,1.35 ; 323.65,1.35 343.4,1.35 ; D86#2.1 D86.1 343.4,1.35 ; v2(342,78.5) 339.75,76.25 339.75,8 342.89,4.86 D86#3.1 344.74,2.69 343.4,1.35
Net-(D0-Pad2): length 11.6
  Bottom w0.25: K0.2 10.24,118.42 12.09,116.57 12.09,111.34
Net-(D1-Pad2): length 11.6
  Bottom w0.25: K1.2 29.29,118.42 31.14,116.57 31.14,111.34
Net-(D2-Pad2): length 11.6
  Bottom w0.25: 50.19,111.34 50.19,116.57 48.34,118.42 K2.2
Net-(D3-Pad2): length 11.6
  Bottom w0.25: K3.2 67.39,118.42 69.24,116.57 69.24,111.34
Net-(D4-Pad2): length 11.6
  Bottom w0.25: K4.2 86.44,118.42 88.29,116.57 88.29,111.34
Net-(D5-Pad2): length 11.6
  Bottom w0.25: 107.34,111.34 107.34,116.57 105.49,118.42 K5.2
Net-(D6-Pad2): length 11.6
  Bottom w0.25: 126.39,111.34 126.39,116.57 124.54,118.42 K6.2
Net-(D7-Pad2): length 11.6
  Bottom w0.25: 145.44,111.34 145.44,116.57 143.59,118.42 K7.2
Net-(D8-Pad2): length 11.6
  Bottom w0.25: 164.49,111.34 164.49,116.57 162.64,118.42 K8.2
Net-(D9-Pad2): length 11.6
  Bottom w0.25: K9.2 181.69,118.42 183.54,116.57 183.54,111.34
Net-(D10-Pad2): length 11.6
  Bottom w0.25: 202.59,111.34 202.59,116.57 200.74,118.42 K10.2
Net-(D11-Pad2): length 11.6
  Bottom w0.25: K11.2 219.79,118.42 221.64,116.57 221.64,111.34
Net-(D12-Pad2): length 11.6
  Bottom w0.25: 240.69,111.34 240.69,116.57 238.84,118.42 K12.2
Net-(D13-Pad2): length 11.6
  Bottom w0.25: K13.2 257.89,118.42 259.74,116.57 259.74,111.34
Net-(D14-Pad2): length 11.6
  Bottom w0.25: K14.2 276.94,118.42 278.79,116.57 278.79,111.34
Net-(D15-Pad2): length 11.6
  Bottom w0.25: 302.6,111.34 302.6,116.57 300.75,118.42 K15.2
Net-(D16-Pad2): length 7.3
  Bottom w0.25: D16.2 9.1,93.47 10.24,94.61 K16.2
Net-(D17-Pad2): length 11.6
  Bottom w0.25: 31.14,87.53 31.14,92.76 29.29,94.61 K17.2
Net-(D18-Pad2): length 11.6
  Bottom w0.25: K18.2 48.34,94.61 50.19,92.76 50.19,87.53
Net-(D19-Pad2): length 11.6
  Bottom w0.25: 69.24,87.53 69.24,92.76 67.39,94.61 K19.2
Net-(D20-Pad2): length 11.6
  Bottom w0.25: K20.2 86.44,94.61 88.29,92.76 88.29,87.53
Net-(D21-Pad2): length 11.6
  Bottom w0.25: K21.2 105.49,94.61 107.34,92.76 107.34,87.53
Net-(D22-Pad2): length 11.6
  Bottom w0.25: K22.2 124.54,94.61 126.39,92.76 126.39,87.53
Net-(D23-Pad2): length 11.6
  Bottom w0.25: 145.44,87.53 145.44,93.06 143.59,94.91 K23.2
Net-(D24-Pad2): length 11.6
  Bottom w0.25: 164.49,87.53 164.49,93.51 162.64,95.36 K24.2
Net-(D25-Pad2): length 11.6
  Bottom w0.25: K25.2 181.69,94.61 183.54,92.76 183.54,87.53
Net-(D26-Pad2): length 11.6
  Bottom w0.25: 202.59,87.53 202.59,92.76 200.74,94.61 K26.2
Net-(D27-Pad2): length 11.6
  Bottom w0.25: K27.2 219.79,94.61 221.64,92.76 221.64,87.53
Net-(D28-Pad2): length 11.6
  Bottom w0.25: 240.69,87.53 240.69,92.76 238.84,94.61 K28.2
Net-(D29-Pad2): length 11.2
  Bottom w0.25: 267.42,98.37 267.42,94.61 269.26,92.76 269.26,91.24 271.3,89.2 D29.2
Net-(D30-Pad2): length 11.6
  Bottom w0.25: K30.2 300.75,94.61 302.6,92.76 302.6,87.53
Net-(D31-Pad2): length 11.6
  Bottom w0.25: 16.85,68.48 16.85,73.71 15,75.56 15,79.32
Net-(D32-Pad2): length 11.6
  Bottom w0.25: K32.2 38.81,75.56 40.66,73.71 40.66,68.48
Net-(D33-Pad2): length 11.6
  Bottom w0.25: 59.71,68.48 59.71,73.71 57.86,75.56 K33.2
Net-(D34-Pad2): length 11.6
  Bottom w0.25: 78.76,68.48 78.76,73.71 76.91,75.56 K34.2
Net-(D35-Pad2): length 11.6
  Bottom w0.25: K35.2 95.97,75.56 97.81,73.71 97.81,68.48
Net-(D36-Pad2): length 11.6
  Bottom w0.25: 116.86,68.48 116.86,73.71 115.01,75.56 K36.2
Net-(D37-Pad2): length 11.6
  Bottom w0.25: K37.2 134.06,75.56 135.91,73.71 135.91,68.48
Net-(D38-Pad2): length 11.6
  Bottom w0.25: K38.2 153.12,75.56 154.96,73.71 154.96,68.48
Net-(D39-Pad2): length 11.6
  Bottom w0.25: 174.01,68.48 174.01,73.71 172.16,75.56 K39.2
Net-(D40-Pad2): length 11.6
  Bottom w0.25: K40.2 191.22,75.56 193.06,73.71 193.06,68.48
Net-(D41-Pad2): length 11.6
  Bottom w0.25: 212.11,68.48 212.11,73.71 210.26,75.56 K41.2
Net-(D42-Pad2): length 11.6
  Bottom w0.25: 231.16,68.48 231.16,73.71 229.31,75.56 K42.2
Net-(D43-Pad2): length 11.6
  Bottom w0.25: 250.21,68.48 250.21,73.71 248.37,75.56 K43.2
Net-(D44-Pad2): length 11.6
  Bottom w0.25: 272.18,79.32 272.18,75.56 274.02,73.71 274.02,68.48
Net-(D45-Pad2): length 11.6
  Bottom w0.25: 302.6,68.48 302.6,73.71 300.75,75.56 K45.2
Net-(D46-Pad2): length 8.2
  Bottom w0.25: D46.2 16.7,59.58 K46.2
Net-(D47-Pad2): length 11.6
  Bottom w0.25: K47.2 43.58,56.51 45.42,54.66 45.42,49.43
Net-(D48-Pad2): length 11.6
  Bottom w0.25: K48.2 62.63,56.51 64.47,54.66 64.47,49.43
Net-(D49-Pad2): length 11.6
  Bottom w0.25: K49.2 81.68,56.51 83.53,54.66 83.53,49.43
Net-(D50-Pad2): length 11.6
  Bottom w0.25: 102.57,49.43 102.57,54.66 100.73,56.51 K50.2
Net-(D51-Pad2): length 11.6
  Bottom w0.25: 121.62,49.43 121.62,54.66 119.78,56.51 K51.2
Net-(D52-Pad2): length 11.6
  Bottom w0.25: K52.2 138.83,56.51 140.68,54.66 140.68,49.43
Net-(D53-Pad2): length 11.6
  Bottom w0.25: 159.72,49.43 159.72,54.66 157.88,56.51 K53.2
Net-(D54-Pad2): length 11.6
  Bottom w0.25: K54.2 176.93,56.51 178.78,54.66 178.78,49.43
Net-(D55-Pad2): length 11.6
  Bottom w0.25: 197.82,49.43 197.82,54.66 195.98,56.51 K55.2
Net-(D56-Pad2): length 11.6
  Bottom w0.25: 216.88,49.43 216.88,54.66 215.03,56.51 K56.2
Net-(D57-Pad2): length 11.6
  Bottom w0.25: 235.93,49.43 235.93,54.66 234.08,56.51 K57.2
Net-(D58-Pad2): length 11.6
  Bottom w0.25: 265.03,60.27 265.03,56.51 266.88,54.66 266.88,49.43
Net-(D59-Pad2): length 11.6
  Bottom w0.25: 302.6,49.43 302.6,54.66 300.75,56.51 K59.2
Net-(D60-Pad2): length 11.6
  Bottom w0.25: 23.99,30.38 23.99,35.61 22.15,37.46 22.15,41.22
Net-(D61-Pad2): length 11.6
  Bottom w0.25: K61.2 53.1,37.46 54.95,35.61 54.95,30.38
Net-(D62-Pad2): length 11.6
  Bottom w0.25: K62.2 72.15,37.46 74,35.61 74,30.38
Net-(D63-Pad2): length 11.6
  Bottom w0.25: K63.2 91.2,37.46 93.05,35.61 93.05,30.38
Net-(D64-Pad2): length 11.6
  Bottom w0.25: K64.2 110.25,37.46 112.1,35.61 112.1,30.38
Net-(D65-Pad2): length 11.6
  Bottom w0.25: K65.2 129.3,37.46 131.15,35.61 131.15,30.38
Net-(D66-Pad2): length 11.6
  Bottom w0.25: 150.2,30.38 150.2,35.61 148.35,37.46 K66.2
Net-(D67-Pad2): length 11.6
  Bottom w0.25: K67.2 167.4,37.46 169.25,35.61 169.25,30.38
Net-(D68-Pad2): length 11.6
  Bottom w0.25: 188.3,30.38 188.3,35.61 186.45,37.46 K68.2
Net-(D69-Pad2): length 11.6
  Bottom w0.25: K69.2 205.5,37.46 207.35,35.61 207.35,30.38
Net-(D70-Pad2): length 11.6
  Bottom w0.25: 226.4,30.38 226.4,35.61 224.55,37.46 K70.2
Net-(D71-Pad2): length 11.6
  Bottom w0.25: K71.2 250.75,37.46 252.59,35.61 252.59,30.38
Net-(D72-Pad2): length 11.6
  Bottom w0.25: 283.55,25.62 283.55,30.85 281.7,32.69 281.7,36.46
Net-(D73-Pad2): length 11.6
  Bottom w0.25: K73.2 12.62,18.41 14.47,16.56 14.47,11.33
Net-(D74-Pad2): length 11.6
  Bottom w0.25: K74.2 36.43,18.41 38.28,16.56 38.28,11.33
Net-(D75-Pad2): length 11.6
  Bottom w0.25: 62.09,11.33 62.09,16.56 60.25,18.41 K75.2
Net-(D76-Pad2): length 11.6
  Bottom w0.25: 133.53,11.33 133.53,16.56 131.68,18.41 K76#4.2
Net-(D77-Pad2): length 11.6
  Bottom w0.25: K77.2 205.5,18.41 207.35,16.56 207.35,11.33
Net-(D78-Pad2): length 11.6
  Bottom w0.25: K78.2 234.08,18.41 235.93,16.56 235.93,11.33
Net-(D79-Pad2): length 11.6
  Bottom w0.25: K79.2 262.65,13.65 264.5,11.8 264.5,6.57
Net-(D80-Pad2): length 11.6
  Bottom w0.25: K80.2 281.7,13.65 283.55,11.8 283.55,6.57
Net-(D81-Pad2): length 11.6
  Bottom w0.25: K81.2 300.75,13.65 302.6,11.8 302.6,6.57
Net-(R4-Pad2): length 8.1
  Bottom w0.25: U2.15 369.77,63.22 369.77,58.9 R4.2

## Copper pours and planes (outline as drawn; the poured copper is in the pictures)
GND on Top: 426.49,-32.43 -22.5,-32 -20,147.5 422.99,150.07
GND on Bottom: 419.5,150 423,-30 -22,-32 -20,151

## Text on the board
B.Silkscreen: GND | ADJ | 2V | 3.3V | 5V | EN | MISO | MOSI | +5V | SCK | SS | 4.7u | 39 | 1u | 10k | 10u | 2.2u
F.Silkscreen: MISO | MOSI | GND | +5V | SCK | SS
